# Altium PCB MB1404.PcbDoc (part 3 of 7)
Units mm, origin at the board's own origin, x right, y up, seen from the top; angles counter-clockwise.
Board outline 70 x 133.34 mm, 6 copper layers (Top Layer, Signal Layer 1, Signal Layer 2, Signal Layer 3, Signal Layer 4, Bottom Layer), stack 1.57 mm thick; 345 components, 311 nets, 1508 pads, 1746 vias.
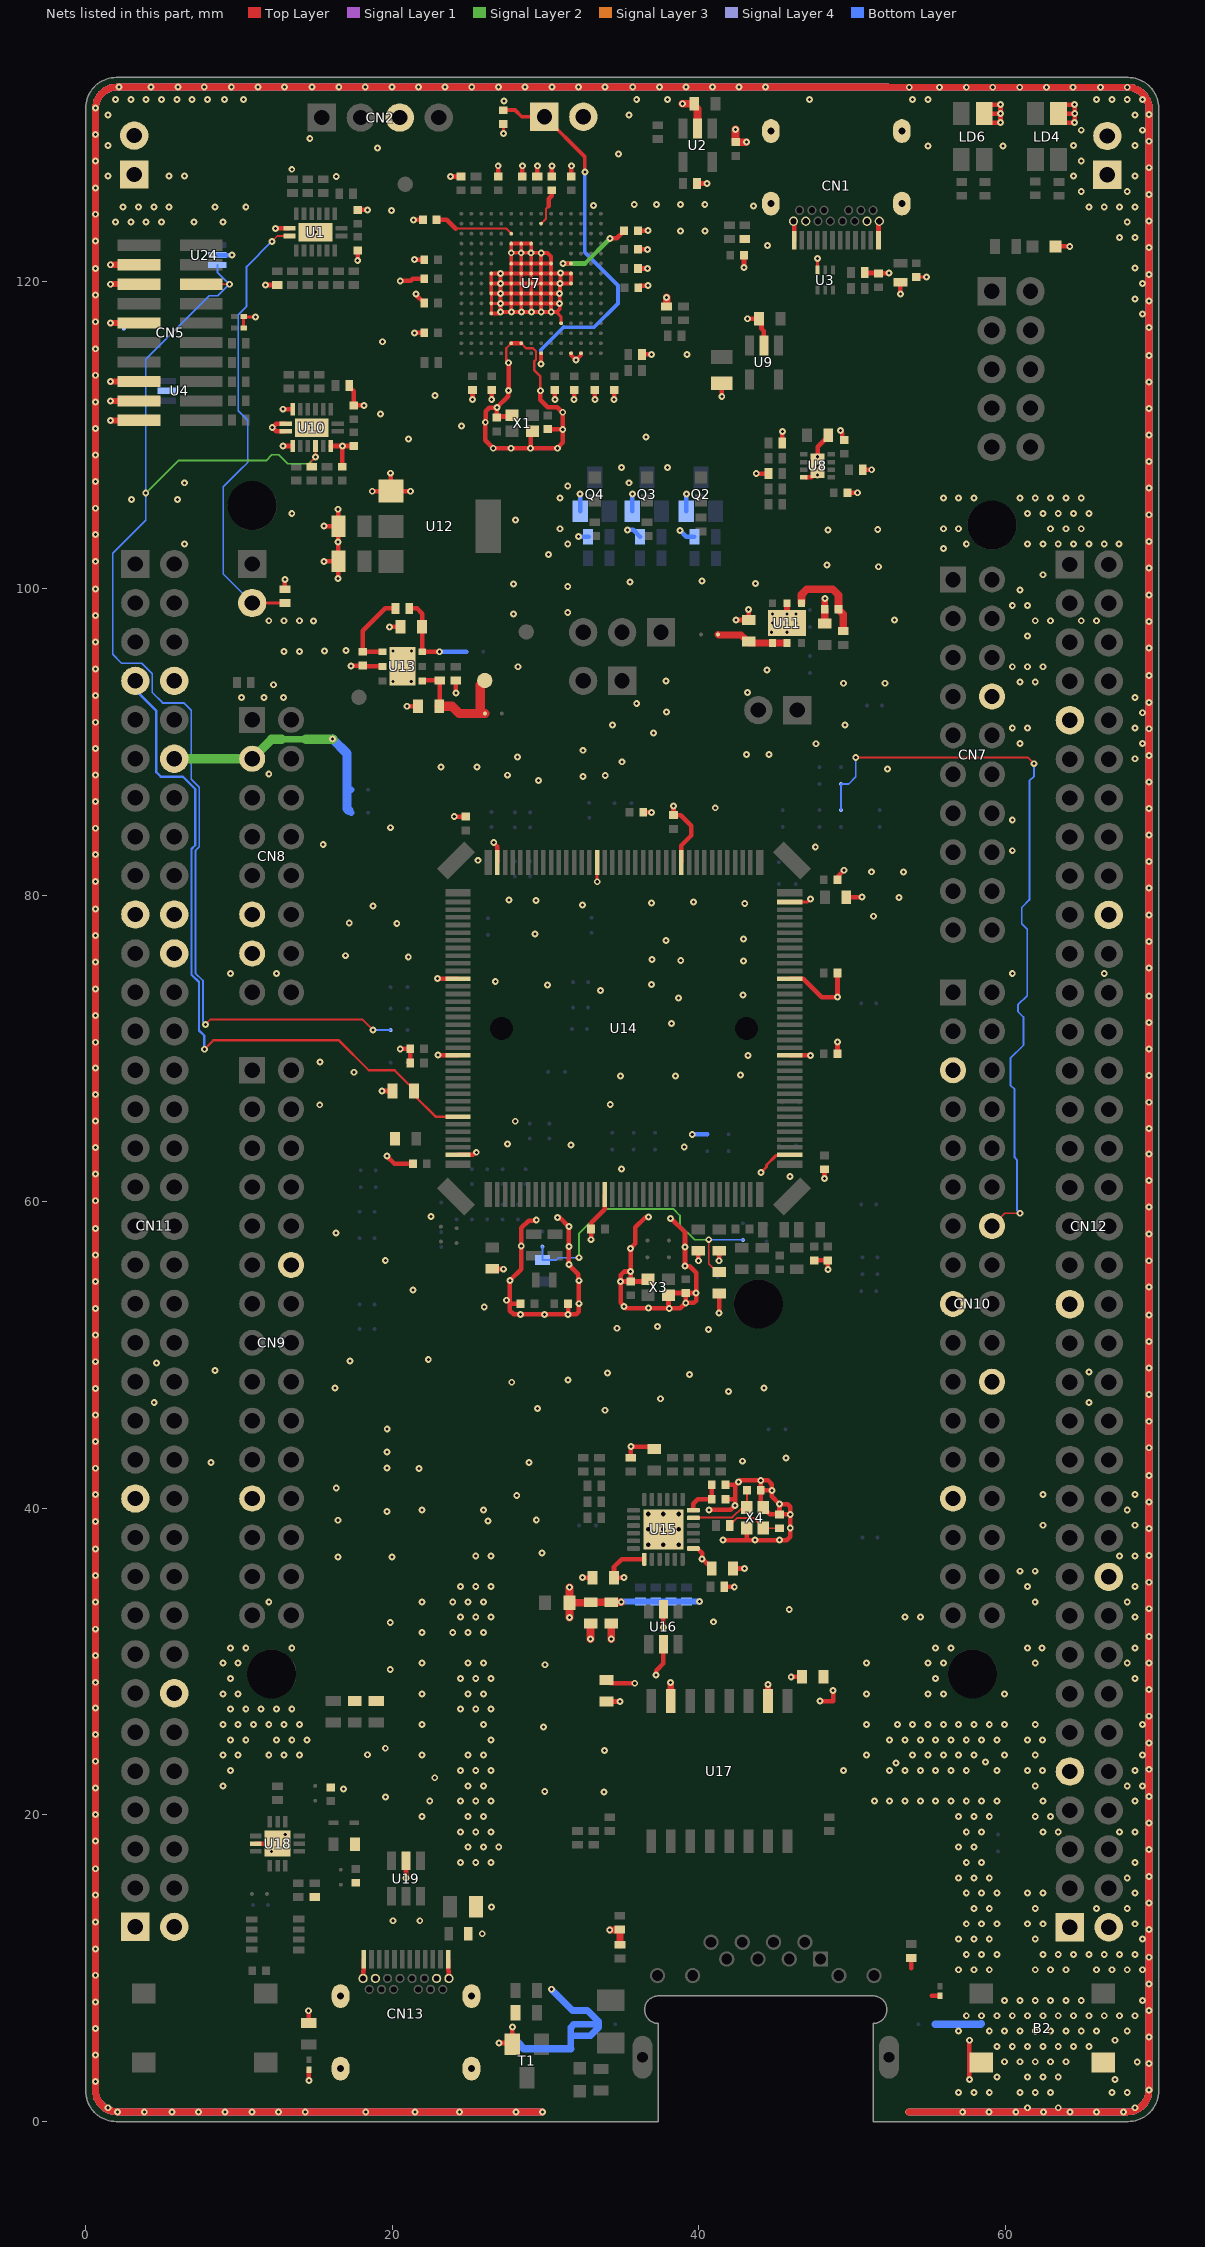
[diagram p7: the nets of this part, all layers, seen from the top]

## Via types
v1: diameter 0.45, hole 0.2, Top Layer to Bottom Layer, tented both sides, 1737 vias
v2: diameter 0.6, hole 0.3, Top Layer to Bottom Layer, tented both sides, 9 vias

## Nets (pads, with @x,y where several pads share a name; then routed paths per layer and width w, separated by ;. In a path a pad name is that pad's centre, name@x,y a point inside that pad or via, vN(x,y) a via of type N, cw(c..) or ccw(c..) an arc to the next point about the centre after c; other vN are vias at no path point) (continued)
ARD_D1_TX: CN10.14 SB14.1 SB23.2 | length 48.9
  Top Layer w0.12: v1(50.238,88.988) 61.462,88.988 v1(61.875,88.575) ; CN10.14@59.126,58.419 59.957,59.25 v1(60.95,59.25)
  Bottom Layer w0.12: SB23.2@49.275,85.55 SB14.1@49.275,87.25 49.776,87.25 50.238,87.712 v1(50.238,88.988) ; v1(60.95,59.25) 60.755,59.445 60.755,62.739 60.6,62.894 60.6,67.338 60.325,67.613 60.325,69.352 61.181,70.208 61.181,72.05 60.82,72.411 60.82,72.843 61.421,73.444 61.421,77.781 61.07,78.132 61.07,79.194 61.571,79.695 61.571,87.466 61.875,87.77 v1(61.875,88.575)
BOOT0: CN11.7 R31.1 U14.138 | length 46
  Top Layer w0.155: v1(7.75,69.95) 8.325,70.525 16.525,70.525 18.475,68.575 20.161,68.575 21.425,67.311 R31.1@21.425,67.225 21.425,66.95 22.821,65.554 U14.138@24.291,65.554
  Bottom Layer w0.155: CN11.7@3.246,93.979 3.246,93.376 4.616,92.006 4.616,88.023 4.911,87.728 6.353,87.728 7.156,86.926 7.156,83.252 6.909,83.005 6.909,74.813 7.395,74.326 7.395,71.179 7.75,70.825 v1(7.75,69.95)
GND: B2.3 B2.4 C1.1 C2.2 C3.1 C4.1 C5.2 C6.2 C7.1 C8.2 C9.2 C10.2 C11.2 C12.1 C13.2 C14.1 C15.2 C16.2 C17.2 C18.1 C19.2 C20.1 C21.2 C22.2 C23.1 C24.1 C25.2 C26.1 C27.2 C28.1 C29.2 C30.2 C31.2 C32.2 C33.2 C34.2 C35.2 C36.1 C37.1 C38.2 C39.1 C40.1 C41.1 C42.1 C43.1 C44.2 C45.1 C46.1 C47.1 C48.1 C49.1 C50.1 C51.1 C52.1 C53.1 C54.1 C55.1 C56.1 C57.1 C58.1 C59.1 C60.1 C62.1 C63.2 C64.2 C69.1 C70.2 C71.2 C72.2 C73.2 C74.1 C75.1 C76.1 C77.1 C78.1 C79.1 C80.2 C81.1 C82.1 C83.1 C84.1 C85.1 C86.2 C87.2 C88.2 C89.2 C92.1 CN1.A1 CN1.A12 CN1.B1 CN1.B12 CN1.SH1 CN1.SH2 CN1.SH3 CN1.SH4 CN2.3 CN3.1 CN3.2 CN4.1 CN4.2 CN5.3 CN5.5 CN5.9 CN5.15 CN5.17 CN5.19 CN7.8 CN8.11 CN8.13 CN9.12 CN9.23 CN10.5 CN10.17 CN10.22 CN10.27 CN11.8 CN11.19 CN11.20 CN11.22 CN11.49 CN11.60 CN12.9 CN12.20 CN12.39 CN12.54 CN12.63 CN13.A1 CN13.A12 CN13.B1 CN13.B12 CN13.SH1 CN13.SH2 CN13.SH3 CN13.SH4 CN15.1 CN15.2 CN16.1 CN16.2 JP3.2 LD4.3 LD5.2 LD6.3 Q2.2 Q3.2 Q4.2 R6.2 R7.1 R11.2 R15.2 R17.2 R22.1 R30.1 R31.2 R38.2 R47.2 R48.1 R56.2 R57.1 R58.1 R59.1 R61.1 R62.1 R65.1 R66.1 R67.1 R76.2 R78.1 R85.1 R88.2 R93.1 R94.1 SB47.1 SB76.2 SB77.2 SB84.1 T1.2 U1.8 U1.17 U2.2 U3.3 U4.2 U5.2 U6.2 U7.D5 U7.D6 U7.D7 U7.D8 U7.D9 U7.F2 U7.F6 U7.F7 U7.F8 U7.F9 U7.F10 U7.F12 U7.G2 U7.G6 U7.G7 U7.G8 U7.G9 U7.G10 U7.G12 U7.H6 U7.H7 U7.H8 U7.H9 U7.H10 U7.H12 U7.J6 U7.J7 U7.J8 U7.J9 U7.J10 U7.K6 U7.K7 U7.K8 U7.K9 U7.K10 U7.L4 U7.M1 U7.M8 U7.M9 U7.N1 U8.8 U8.9 U9.2 U10.7 U10.8 U10.9 U10.10 U10.15 U10.17 U11.2 U11.EP U12.1 U13.2 U13.EP U14.16 U14.38 U14.51 U14.61 U14.71 U14.83 U14.94 U14.107 U14.120 U14.130 U14.143 U15.EP U16.2 U18.2 U18.13 U19.2 U20.2 U21.2 U22.2 U23.2 U24.2 X1.2 X1.4 X3.2 X3.4 X4.2 X4.4 | length 2575.8
  Top Layer w0.15: v1(27.591,114.729) 27.441,114.879 27.441,115.679 U7.F2@27.766,116.004 ; U7.G2@28.416,116.004 28.736,115.684 29.189,115.684 29.386,115.486 29.386,114.936 29.275,114.825 29.275,114.225 29.666,113.834 29.666,113.009 v1@29.725,112.95
  Top Layer w0.2: U23.2@10.3,117.725 10.312,117.713 U5.2@10.312,117 ; U23.2@10.312,117.75 10.338,117.725 v1(11.075,117.725) ; U7.D5@26.475,117.95 26.471,117.954 26.466,117.959 U7.D6@26.466,118.604 ; U7.D7@26.475,119.25 26.466,119.241 U7.D6@26.466,118.604 ; v1@27.025,118.575 26.998,118.602 26.468,118.602 U7.D6@26.466,118.604 ; v1@27.25,129.65 v1(27.25,129.675) C28.1@27.25,130.3 ; 30.725,118.025 31.016,117.734 U7.L4@31.016,117.304 ; U14.94@33.366,82.129 33.371,82.124 33.371,80.954 v1@33.375,80.95 ; v1(44.05,61.9) 44.42,62.27 44.42,62.395 45.029,63.004 45.891,63.004 U14.38@45.941,63.054 ; U14.71@45.891,79.604 U14.71@45.941,79.554 47.104,79.554 v1(47.3,79.75) ; U3.3@47.75,120.775 v1(47.75,121.525) ; C6.2@54.175,120.325 v1(54.85,120.325)
  Top Layer w0.25: U7.D5@26.466,117.954 26.471,117.954 26.925,117.954 27.021,118.05 v1(27.075,118.05) ; 30.725,118.025 30.925,118.225 v1(30.925,118.6) ; 30.737,118.05 v1(30.375,118.05) ; v1@30.954,119.904 30.975,119.925 v1(30.975,120.575) ; v1@31.042,119.904 U7.M8@31.666,119.904 U7.M9@31.666,120.554 30.996,120.554 v1(30.975,120.575) ; U7.M1@31.666,115.354 31.666,115.229 v1(31.991,114.904) 32.316,115.229 U7.N1@32.316,115.354 ; U7.D8@26.466,119.904 U7.D9@26.466,120.554 v1(27.066,120.554) ; U7.D8@26.466,119.904 U7.D7@26.466,119.254 v1(27.066,119.254) ; U7.D8@26.466,119.904 v1(27.066,119.904) ; v1(27.066,119.254) U7.F7@27.766,119.254 ; v1(27.066,119.254) v1(27.066,119.904) ; v1(27.066,119.254) 27.066,118.609 v1(27.075,118.6) ; v1(27.066,119.904) U7.F8@27.766,119.904 ; v1(27.066,119.904) v1(27.066,120.554) ; v1(27.066,120.554) U7.F9@27.766,120.554 ; v1(27.075,118.05) v1(27.775,118.05) ; v1(27.075,118.05) v1(27.075,118.6) ; v1(27.075,118.6) 27.079,118.604 U7.F6@27.766,118.604 ; U7.F6@27.766,118.604 27.766,118.059 v1(27.775,118.05) ; U7.F6@27.766,118.604 U7.G6@28.416,118.604 ; U7.F6@27.766,118.604 U7.F7@27.766,119.254 ; U7.F7@27.766,119.254 U7.F8@27.766,119.904 ; U7.F7@27.766,119.254 U7.G7@28.416,119.254 ; U7.F8@27.766,119.904 U7.G8@28.416,119.904 ; U7.F8@27.766,119.904 U7.F9@27.766,120.554 ; U7.F9@27.766,120.554 U7.G9@28.416,120.554 ; U7.F9@27.766,120.554 U7.F10@27.766,121.204 ; U7.F10@27.766,121.204 v1(27.766,121.904) ; U7.F10@27.766,121.204 U7.G10@28.416,121.204 ; v1(27.766,121.904) v1(28.416,121.904) ; v1(27.766,121.904) U7.F12@27.766,122.504 U7.G12@28.416,122.504 ; v1(27.775,118.05) v1(28.425,118.05) ; U7.G6@28.416,118.604 28.416,118.059 v1(28.425,118.05) ; U7.G6@28.416,118.604 U7.H6@29.066,118.604 ; U7.G6@28.416,118.604 U7.G7@28.416,119.254 ; U7.G7@28.416,119.254 U7.G8@28.416,119.904 ; U7.G7@28.416,119.254 U7.H7@29.066,119.254 ; U7.G8@28.416,119.904 U7.H8@29.066,119.904 ; U7.G8@28.416,119.904 U7.G9@28.416,120.554 ; U7.G9@28.416,120.554 U7.H9@29.066,120.554 ; U7.G9@28.416,120.554 U7.G10@28.416,121.204 ; U7.G10@28.416,121.204 v1(28.416,121.904) ; U7.G10@28.416,121.204 U7.H10@29.066,121.204 ; v1(28.416,121.904) v1(29.066,121.904) ; v1(28.416,121.904) U7.G12@28.416,122.504 ; U7.G12@28.416,122.504 U7.H12@29.066,122.504 v1(29.066,121.904) ; v1(28.425,118.05) v1(29.075,118.05) ; U7.H6@29.066,118.604 29.066,118.059 v1(29.075,118.05) ; U7.H6@29.066,118.604 U7.J6@29.716,118.604 ; U7.H6@29.066,118.604 U7.H7@29.066,119.254 ; U7.H7@29.066,119.254 U7.J7@29.716,119.254 ; U7.H7@29.066,119.254 U7.H8@29.066,119.904 ; U7.H8@29.066,119.904 U7.H9@29.066,120.554 ; U7.H8@29.066,119.904 U7.J8@29.716,119.904 ; U7.H9@29.066,120.554 U7.H10@29.066,121.204 ; U7.H9@29.066,120.554 U7.J9@29.716,120.554 ; U7.H10@29.066,121.204 v1(29.066,121.904) ; U7.H10@29.066,121.204 U7.J10@29.716,121.204 ; v1(29.066,121.904) 29.721,121.904 v1(29.725,121.9) ; v1(29.075,118.05) v1(29.725,118.05) ; U7.J6@29.716,118.604 29.716,118.059 v1(29.725,118.05) ; U7.J6@29.716,118.604 U7.J7@29.716,119.254 ; U7.J6@29.716,118.604 U7.K6@30.366,118.604 ; U7.J7@29.716,119.254 U7.J8@29.716,119.904 ; U7.J7@29.716,119.254 U7.K7@30.366,119.254 ; U7.J8@29.716,119.904 U7.J9@29.716,120.554 ; U7.J8@29.716,119.904 U7.K8@30.366,119.904 ; U7.J9@29.716,120.554 U7.K9@30.366,120.554 ; U7.J9@29.716,120.554 U7.J10@29.716,121.204 ; U7.J10@29.716,121.204 29.716,121.891 v1(29.725,121.9) ; U7.J10@29.716,121.204 U7.K10@30.366,121.204 ; v1(29.725,118.05) v1(30.375,118.05) ; v1(29.725,121.9) 30.125,121.9 30.366,121.659 U7.K10@30.366,121.204 ; U7.K6@30.366,118.604 30.366,118.059 v1(30.375,118.05) ; U7.K6@30.366,118.604 30.37,118.6 v1(30.925,118.6) ; U7.K6@30.366,118.604 U7.K7@30.366,119.254 ; U7.K7@30.366,119.254 U7.K8@30.366,119.904 ; U7.K7@30.366,119.254 30.37,119.25 v1(30.925,119.25) ; U7.K8@30.366,119.904 30.37,119.9 v1(30.95,119.9) 30.95,119.275 v1(30.925,119.25) ; U7.K8@30.366,119.904 U7.K9@30.366,120.554 ; U7.K9@30.366,120.554 U7.K10@30.366,121.204 ; U7.K9@30.366,120.554 30.954,120.554 v1(30.975,120.575) ; v1(30.925,118.6) 30.932,118.607 30.932,119.243 v1(30.925,119.25)
  Top Layer w0.3: U18.2@11.1,18.125 U18.13@12.525,18.125 ; v1(11.725,119.8) R22.1@12.5,119.8 ; v1(12.175,110.5) 12.425,110.75 U10.8@13.05,110.75 ; v1(12.175,110.5) 12.426,110.25 U10.9@13.05,110.25 ; v1(12.4,123.5) U1.8@13.3,123.5 ; v1@12.875,109.275 12.9,109.3 U10.10@13.5,109.3 ; v1(12.875,111.7) U10.7@13.5,111.7 ; R94.1@13,99.95 v1(13,100.6) ; v1(14.541,7.229) 14.566,7.204 R62.1@14.566,6.429 ; v1(14.566,2.679) U22.2@14.566,3.391 ; v1(15.55,101.775) C42.1@16.49,101.775 ; v1(15.55,104.075) C41.1@16.491,104.074 ; U10.15@16,109.3 v1@16.725,109.3 ; v1(16.475,100.65) 16.475,101.758 C42.1@16.491,101.774 C42.1@16.49,101.775 ; v1@16.475,103.027 16.475,104.058 C41.1@16.491,104.074 C41.1@16.491,104.074 ; v1(16.475,105.175) 16.475,104.09 C41.1@16.491,104.074 ; v1(16.477,103.027) 16.477,101.788 C42.1@16.49,101.775 ; C35.2@16.75,107.95 16.75,109.275 v1@16.725,109.3 ; R78.1@17.2,113.25 17.2,113.155 17.305,113.05 17.324,113.05 17.5,112.874 C26.1@17.5,111.975 ; v1(17.3,94.95) 17.313,94.962 18.062,94.962 C44.2@18.075,94.975 18.121,94.929 U13.2@19.366,94.929 ; C27.2@17.5,109.3 v1(16.75,109.3) v1@16.725,109.3 ; C26.1@17.5,111.95 v1(18.15,111.95) ; v1@17.725,121.425 17.75,121.45 C2.2@17.75,122.05 ; C4.1@17.75,124.7 v1(18.4,124.7) ; CN13.B12@18.1,9.335 18.1,9.825 18.15,9.875 CN13.A1@18.15,10.585 ; v1(18.7,106.35) 19.912,106.35 U12.1@19.916,106.354 ; v1(19.325,67.225) R31.2@20.025,67.225 ; v1(19.65,62.975) 20.15,62.475 C57.1@21.35,62.475 ; v1(19.816,97.504) C43.1@20.566,97.504 ; v1(19.9,107.525) 19.9,106.37 U12.1@19.916,106.354 ; v1(20.525,69.975) C52.1@21.175,69.975 C54.1@21.175,69.05 ; v1(20.525,120.075) 21.221,120.075 21.35,120.204 C16.2@22.091,120.204 ; v1(20.9,15.9) U19.2@20.9,17 ; v1(20.975,92.325) C45.1@21.675,92.325 ; v1(21.2,106.35) 19.92,106.35 U12.1@19.916,106.354 ; v1(21.4,124.05) C12.1@22,124.05 ; v1(21.466,116.679) C25.2@22.091,116.679 C25.2@22.067,116.655 ; v1(21.466,121.454) C13.2@22.091,121.454 ; v1(21.541,119.204) 21.541,119.179 C21.2@22.091,118.629 ; v1(22.95,74.575) 22.971,74.554 U14.120@24.291,74.554 ; v1(23,69.575) 23.021,69.554 U14.130@24.291,69.554 ; CN13.A12@23.65,10.585 23.65,9.875 23.7,9.825 CN13.B1@23.7,9.335 ; v1(23.791,126.879) C8.2@24.491,126.879 ; v1(24.05,85.12) 24.052,85.122 24.798,85.122 C48.1@24.8,85.125 ; v1(24.15,93.175) R30.1@24.15,94 ; U14.143@24.291,63.054 25.273,63.054 25.446,63.227 v1(25.486,63.227) ; v1(25.241,112.329) C29.2@25.241,112.954 ; v1@26.066,110.841 26.066,109.679 26.59,109.155 v1(26.593,109.155) ; v1(26.072,110.847) 26.095,110.87 26.095,111.57 26.325,111.8 v1(26.825,111.8) ; v1(26.491,112.329) C30.2@26.491,112.954 ; C62.1@26.525,55.625 26.537,55.612 27.237,55.612 v1(27.25,55.6) ; v1(26.593,109.155) v1(27.741,109.154) ; v1(26.625,83.425) 26.625,83.415 26.866,83.174 U14.107@26.866,82.129 ; C9.2@26.916,126.879 v1(26.916,127.579) ; v1(26.966,5.127) 27.767,5.127 T1.2@27.842,5.052 v1(27.841,6.177) ; v1(27.451,53.574) v1@27.675,53.574 ; v1(27.591,114.729) v1(27.591,112.929) 27.562,112.9 27.562,112.549 26.825,111.812 v1(26.825,111.8) ; v1(27.741,109.154) v1(29.016,109.154) ; U7.F2@27.766,116.004 U7.G2@28.416,116.004 ; X1.4@27.8,111.3 27.725,111.225 26.9,111.225 C20.1@26.825,111.15 v1(26.825,111.8) ; C72.2@28.375,53.35 27.675,53.35 ; C10.2@28.491,126.879 v1(28.491,127.579) ; X1.2@29.15,110.25 29.045,110.145 29.045,109.183 v1(29.016,109.154) ; v1(29.4,58.8) 29.371,58.771 28.896,58.771 28.42,58.295 v1(28.42,57.12) 28.42,55.607 v1(27.675,54.862) v1@27.675,53.574 ; R6.2@29.466,126.879 v1(29.466,127.579) ; v1(29.666,112.904) 29.666,112.309 30.15,111.825 30.759,111.825 31.084,111.5 v1(31.125,111.5) v1(31.125,110.375) ; C24.1@30.15,110.4 30.163,110.387 31.113,110.387 v1(31.125,110.375) ; C7.1@30.416,127.129 30.416,127.566 v1(30.425,127.575) ; v1(30.616,112.329) C31.2@30.616,112.954 ; v1(30.775,58.975) 30.925,58.975 v1(31.525,58.375) v1(31.525,57.075) v1(31.525,55.9) 32.146,55.279 32.146,54.879 v1(32.175,54.85) v1(32.175,53.35) 32.175,52.825 32,52.65 v1(31.475,52.65) ; C73.2@31.475,53.35 v1(31.475,52.65) ; C11.2@31.691,126.879 v1(31.691,127.579) ; v1(31.866,112.329) C32.2@31.866,112.954 ; v1(32.416,35.479) C80.2@33.066,35.479 ; v1(32.975,57.525) C58.1@32.975,58.225 32.975,58.625 33.866,59.516 U14.16@33.866,60.479 ; v1(33.225,112.325) C33.2@33.225,112.95 ; C84.1@33.916,27.429 33.941,27.404 v1(34.866,27.404) ; v1(34.475,112.329) C34.2@34.475,112.95 ; v1(35.537,56.962) v1@35.55,56.975 ; R38.2@35.566,43.304 v1(35.566,44.029) 36.741,44.029 36.891,43.879 C74.1@37.091,43.879 ; C14.1@36.025,123.35 v1(36.675,123.35) ; C22.2@36.041,119.629 36.041,119.632 36.155,119.746 36.646,119.746 v1(36.675,119.775) ; C17.2@36.041,120.879 v1(36.666,120.879) ; C15.2@36.041,122.129 v1(36.666,122.129) ; R17.2@36.3,115.275 v1(36.925,115.275) ; C46.1@36.375,85.4 v1(36.925,85.4) ; X3.4@36.675,54.95 36.525,54.8 C71.2@35.55,54.8 ; v1(36.725,59) 36.521,59 35.85,58.329 35.85,57.275 v1@35.55,56.975 ; v1(37.691,32.229) U16.2@37.691,33.429 ; v1(38.15,58.9) 38.179,58.929 39.1,58.008 v1(39.1,57.05) v1(39.1,55.8) ; v1(38.35,85.825) C47.1@38.35,85.225 38.825,85.225 39.52,84.53 39.52,83.895 38.866,83.241 U14.83@38.866,82.129 ; v1@39.1,55.775 v1(39.1,55.8) ; R7.1@39.875,126.425 v1(40.525,126.425) ; v1(39.975,56.15) C59.1@39.975,56.8 ; v1(40.666,39.904) 42.091,39.904 v1(42.366,40.179) 42.366,40.629 ; v1(41.325,52.75) C69.1@41.325,54.025 ; v1(41.325,56.15) C60.1@41.325,56.8 ; v1@41.475,112.575 41.481,112.575 41.5,112.594 C18.1@41.5,113.4 ; v1(41.591,37.929) 43.141,37.929 ; R47.2@41.666,34.879 v1(42.316,34.879) ; C77.1@41.741,40.604 42.341,40.604 42.366,40.629 ; C75.1@41.741,41.529 42.366,41.529 ; C79.1@42.241,36.079 v1(42.991,36.079) ; v1(42.425,97.95) C39.1@43.25,97.95 v1(43.25,98.625) ; v1@42.95,120.975 C19.2@42.95,121.75 ; X4.4@43.141,38.704 43.141,37.929 ; v1(43.175,117.6) 43.177,117.598 43.927,117.598 C23.1@43.929,117.597 44.092,117.433 44.092,116.958 44.25,116.8 U9.2@44.25,116.2 ; v1(43.75,107.5) 44.445,107.5 44.5,107.445 R88.2@44.5,107.35 ; R85.1@45.45,109.45 R85.1@45.45,109.5 v1(45.45,110.25) ; U14.51@45.941,69.554 47.296,69.554 v1(47.3,69.55) ; U14.61@45.941,74.554 46.821,74.554 48.025,73.35 v1(49.05,73.35) C51.1@49.05,74.925 ; CN1.B1@46.175,123.965 46.225,123.915 CN1.A12@46.225,122.715 ; U8.8@46.95,107.25 47.35,107.25 47.5,107.4 v1(47.75,107.4) ; C63.2@47.525,56.175 C64.2@48.425,56.175 v1(48.425,55.575) ; v1(47.75,108) v1(47.75,108.6) 47.75,109.25 48.205,109.705 48.28,109.705 48.45,109.875 C36.1@48.45,110 ; v1(47.896,27.429) 48.766,27.429 v1(48.766,28.129) ; v1(48.2,61.525) C56.1@48.2,62.125 ; C53.1@49.05,69.65 49.05,70.426 v1(49.052,70.428) ; C49.1@49.05,81 49.05,81.2 v1(49.475,81.625) ; v1(49.245,110.3) 49.245,110.259 49.37,110.134 49.37,109.805 49.475,109.7 C37.1@49.5,109.7 ; C50.1@49.625,79.875 v1(50.65,79.875) ; C92.1@49.674,106.25 C92.1@49.7,106.25 v1(50.35,106.25) ; R93.1@50.7,107.75 v1(51.28,107.75) ; R11.2@50.825,120.625 50.862,120.588 51.712,120.588 C5.2@51.737,120.562 ; C5.2@51.725,120.55 C5.2@51.737,120.562 ; CN1.A1@51.725,122.715 51.725,123.915 CN1.B12@51.775,123.965 ; v1(52.4,120.575) 52.387,120.562 C5.2@51.737,120.562 ; v1(53.15,119.225) U6.2@53.15,119.975 ; 53.866,10.004 R58.1@53.866,10.679 ; 55.185,8.21 U21.2@55.748,8.21 ; v1(57.653,2.74) v1(57.653,5.305) ; LD6.3@58.62,130.394 v1(59.68,130.394) v1@59.68,130.979 ; LD6.3@58.62,131.569 v1(59.68,131.569) v1@59.68,130.979 ; LD6.3@58.625,130.979 v1@59.68,130.979 ; v1(59.685,130.979) v1@59.68,130.979 ; LD5.2@63.263,122.312 63.269,122.319 64.194,122.319 v1(64.2,122.325) ; LD4.3@63.461,130.394 v1(64.521,130.394) v1@64.521,130.979 ; LD4.3@63.461,131.569 v1(64.521,131.569) v1@64.521,130.979 ; LD4.3@63.466,130.979 v1@64.521,130.979 ; v1(64.526,130.979) v1@64.521,130.979 ; 27.675,53.35 v1@27.675,53.574 ; 27.675,53.35 27.675,52.9 27.925,52.65 v1(28.375,52.65) v1(29.925,52.65) v1(31.475,52.65) ; v1(29.016,109.154) v1(30.791,109.154) 30.791,109.194 31.125,109.528 v1(31.125,110.375) ; v1(34.9,54.8) 34.9,53.4 v1(35.125,53.175) 35.25,53.05 v1(38.075,53.05) ; v1(34.9,54.8) 34.9,55.225 35.125,55.45 v1(35.55,55.45) ; v1(34.9,54.8) C71.2@35.55,54.8 ; C71.2@35.55,54.8 v1(35.55,55.45) ; v1(35.55,55.45) v1@35.55,56.975 ; v1(38.075,53.05) 38.025,53.1 X3.2@38.025,53.9 38.175,54.05 C70.2@39.15,54.05 ; v1(38.075,53.05) 38.8,53.05 v1(39.15,53.4) ; v1(39.1,55.8) 39.4,55.8 39.825,55.375 v1(39.825,54.05) ; v1(39.15,53.4) 39.675,53.4 39.825,53.55 v1(39.825,54.05) ; v1(39.15,53.4) C70.2@39.15,54.05 ; C70.2@39.15,54.05 v1(39.825,54.05) ; 42.366,40.629 42.366,41.529 ; 42.366,41.529 42.403,41.529 v1(42.591,41.716) 42.703,41.829 v1(44.041,41.829) ; 43.141,37.929 v1(43.666,37.929) v1(45.266,37.929) 45.741,37.929 45.966,38.154 v1(45.966,38.729) v1(45.966,39.604) ; C76.1@44.041,41.179 44.741,41.179 v1(44.766,41.154) ; C76.1@44.041,41.179 v1(44.041,41.829) ; C76.1@44.041,41.179 44.041,40.204 X4.2@44.191,40.054 44.641,39.604 C78.1@45.266,39.604 ; v1(44.041,41.829) 44.516,41.829 44.766,41.579 v1(44.766,41.154) ; v1(44.766,41.154) 44.766,40.779 v1(45.266,40.279) ; C78.1@45.266,39.604 v1(45.966,39.604) ; C78.1@45.266,39.604 v1(45.266,40.279) ; v1(45.266,40.279) 45.791,40.279 45.966,40.104 v1(45.966,39.604)
  Top Layer w0.4: v1(1.625,112.225) 1.632,112.232 3.468,112.232 CN5.17@3.476,112.24 ; v1@1.625,113.475 1.66,113.51 CN5.15@3.476,113.51 ; v1@1.625,117.3 1.645,117.32 CN5.9@3.476,117.32 ; v1(1.625,121.125) 1.627,121.127 3.474,121.127 CN5.3@3.476,121.13 ; v1@1.65,110.975 1.655,110.97 CN5.19@3.476,110.97 ; v1@1.65,119.825 1.685,119.86 CN5.5@3.476,119.86 ; v1(45.75,97.75) U11.2@45.75,99.05 ; C38.2@48.216,98.654 48.22,98.658 48.22,99.345 v1(48.225,99.35)
  Top Layer w0.45: v1@29.816,0.625 28.079,0.625 28.075,0.629 24.4,0.629 21.5,0.629 18.275,0.629 v1(14.329,0.629) v1(12.591,0.629) v1(10.866,0.629) v1(9.104,0.629) v1(7.366,0.629) v1(5.641,0.629) v1(3.829,0.629) v1(2.091,0.629) cw(c2.091,2.079) 0.641,2.079 v1(0.641,2.616) v1(0.641,4.354) v1(0.641,6.079) v1(0.641,7.804) v1(0.641,9.541) v1(0.641,11.266) v1(0.641,13.029) v1(0.641,14.766) v1(0.641,16.491) v1(0.641,18.304) v1(0.641,20.041) v1(0.641,21.766) v1(0.641,23.504) v1(0.641,25.241) v1(0.641,26.966) v1(0.641,28.654) v1(0.641,30.391) v1(0.641,32.116) v1(0.641,33.879) v1(0.641,35.616) v1(0.641,37.341) v1(0.641,39.154) v1(0.641,40.891) v1(0.641,42.616) v1(0.641,44.354) v1(0.641,46.091) v1(0.641,47.816) v1(0.641,49.566) v1(0.641,51.304) v1(0.641,53.029) v1(0.641,54.791) v1(0.641,56.529) v1(0.641,58.254) v1(0.641,60.066) v1(0.641,61.804) v1(0.641,63.529) v1(0.641,65.266) v1(0.641,67.004) v1(0.641,68.729) v1(0.641,70.404) v1(0.641,72.141) v1(0.641,73.866) v1(0.641,75.629) v1(0.641,77.366) v1(0.641,79.091) v1(0.641,80.904) v1(0.641,82.641) v1(0.641,84.366) v1(0.641,86.104) v1(0.641,87.841) v1(0.641,89.566) v1(0.641,91.279) v1(0.641,93.016) v1(0.641,94.741) v1(0.641,96.504) v1(0.641,98.241) v1(0.641,99.966) v1(0.641,101.779) v1(0.641,103.516) v1(0.641,105.241) v1(0.641,106.979) v1(0.641,108.716) v1(0.641,110.441) v1(0.641,112.179) v1(0.641,113.916) v1(0.641,115.641) v1(0.641,117.404) v1(0.641,119.141) v1(0.641,120.866) v1(0.641,122.679) v1(0.641,124.416) v1(0.641,126.141) v1(0.641,127.879) v1(0.641,129.616) 0.641,131.294 cw(c2.062,131.294) 2.062,132.715 52.341,132.715 52.352,132.704 v1(53.729,132.704) v1(55.712,132.704) v1(57.449,132.704) v1(59.174,132.704) v1(60.937,132.704) v1(62.674,132.704) v1(64.399,132.704) v1(66.212,132.704) v1(67.949,132.704) cw(c67.949,131.278) 69.375,131.278 69.366,131.269 v1(69.366,130.916) v1(69.366,129.179) v1(69.366,127.454) v1(69.366,125.716) v1(69.366,123.979) v1(69.366,122.254) v1(69.366,120.491) v1(69.366,118.754) v1(69.366,117.029) v1@69.366,115.216 ; v1(34.191,12.504) 34.822,12.504 R57.1@34.841,12.523 34.866,12.498 R59.1@34.866,11.529 ; 53.741,0.625 v1(57.216,0.625) v1(58.941,0.625) v1(60.678,0.625) v1(62.491,0.625) v1(64.216,0.625) v1(65.954,0.625) v1(67.716,0.625) 67.938,0.625 ccw(c67.938,2.053) v1(69.366,2.053) v1(69.366,3.778) v1(69.366,5.515) v1(69.366,7.253) v1(69.366,8.978) v1(69.366,10.715) v1(69.366,12.528) v1(69.366,14.253) v1(69.366,15.99) v1(69.366,17.753) v1(69.366,19.478) v1(69.366,21.215) v1(69.366,22.979) v1(69.366,24.704) v1(69.366,26.441) v1(69.366,28.179) v1(69.366,29.904) v1(69.366,31.641) v1(69.366,33.454) v1(69.366,35.179) v1(69.366,36.916) v1(69.366,38.679) v1(69.366,40.404) v1(69.366,42.141) v1(69.366,43.954) v1(69.366,45.679) v1(69.366,47.416) v1(69.366,49.154) v1(69.366,50.879) v1(69.366,52.616) v1(69.366,54.429) v1(69.366,56.154) v1(69.366,57.891) v1(69.366,59.654) v1(69.366,61.379) v1(69.366,63.116) v1(69.366,64.766) v1(69.366,66.491) v1(69.366,68.229) v1(69.366,69.966) v1(69.366,71.691) v1(69.366,73.429) v1(69.366,75.241) v1(69.366,76.966) v1(69.366,78.704) v1(69.366,80.466) v1(69.366,82.191) v1(69.366,83.929) v1(69.366,85.654) v1(69.366,87.379) v1(69.366,89.116) v1(69.366,90.854) v1(69.366,92.579) 69.366,96.12 v1(69.375,96.129) ; v1@69.366,96.129 69.366,97.845 v1(69.375,97.854) ; v1@69.366,97.854 69.366,99.582 v1(69.375,99.591) ; v1@69.366,99.591 69.366,101.345 v1(69.375,101.354) ; v1@69.366,101.354 69.366,103.07 v1(69.375,103.079) ; v1@69.366,103.079 69.366,104.807 v1(69.375,104.816) ; v1@69.366,104.816 69.366,106.545 v1(69.375,106.554) ; v1@69.366,106.554 v1(69.366,108.279) v1(69.366,110.016) v1(69.366,111.754) 69.366,115.207 v1(69.375,115.216)